# Altium PCB PCB_UDC_PlacaControle_V2.0.PcbDoc (part 6 of 7)
Units mm, origin at the board's own origin, x right, y up, seen from the top; angles counter-clockwise.
Board outline 161.76 x 100.25 mm, 6 copper layers (Top Layer, GND, Signal 1, Signal 2, VCC, Bottom Layer); 548 components, 515 nets, 2193 pads, 1225 vias.
Unrouted connection lines stored in the file: 7.
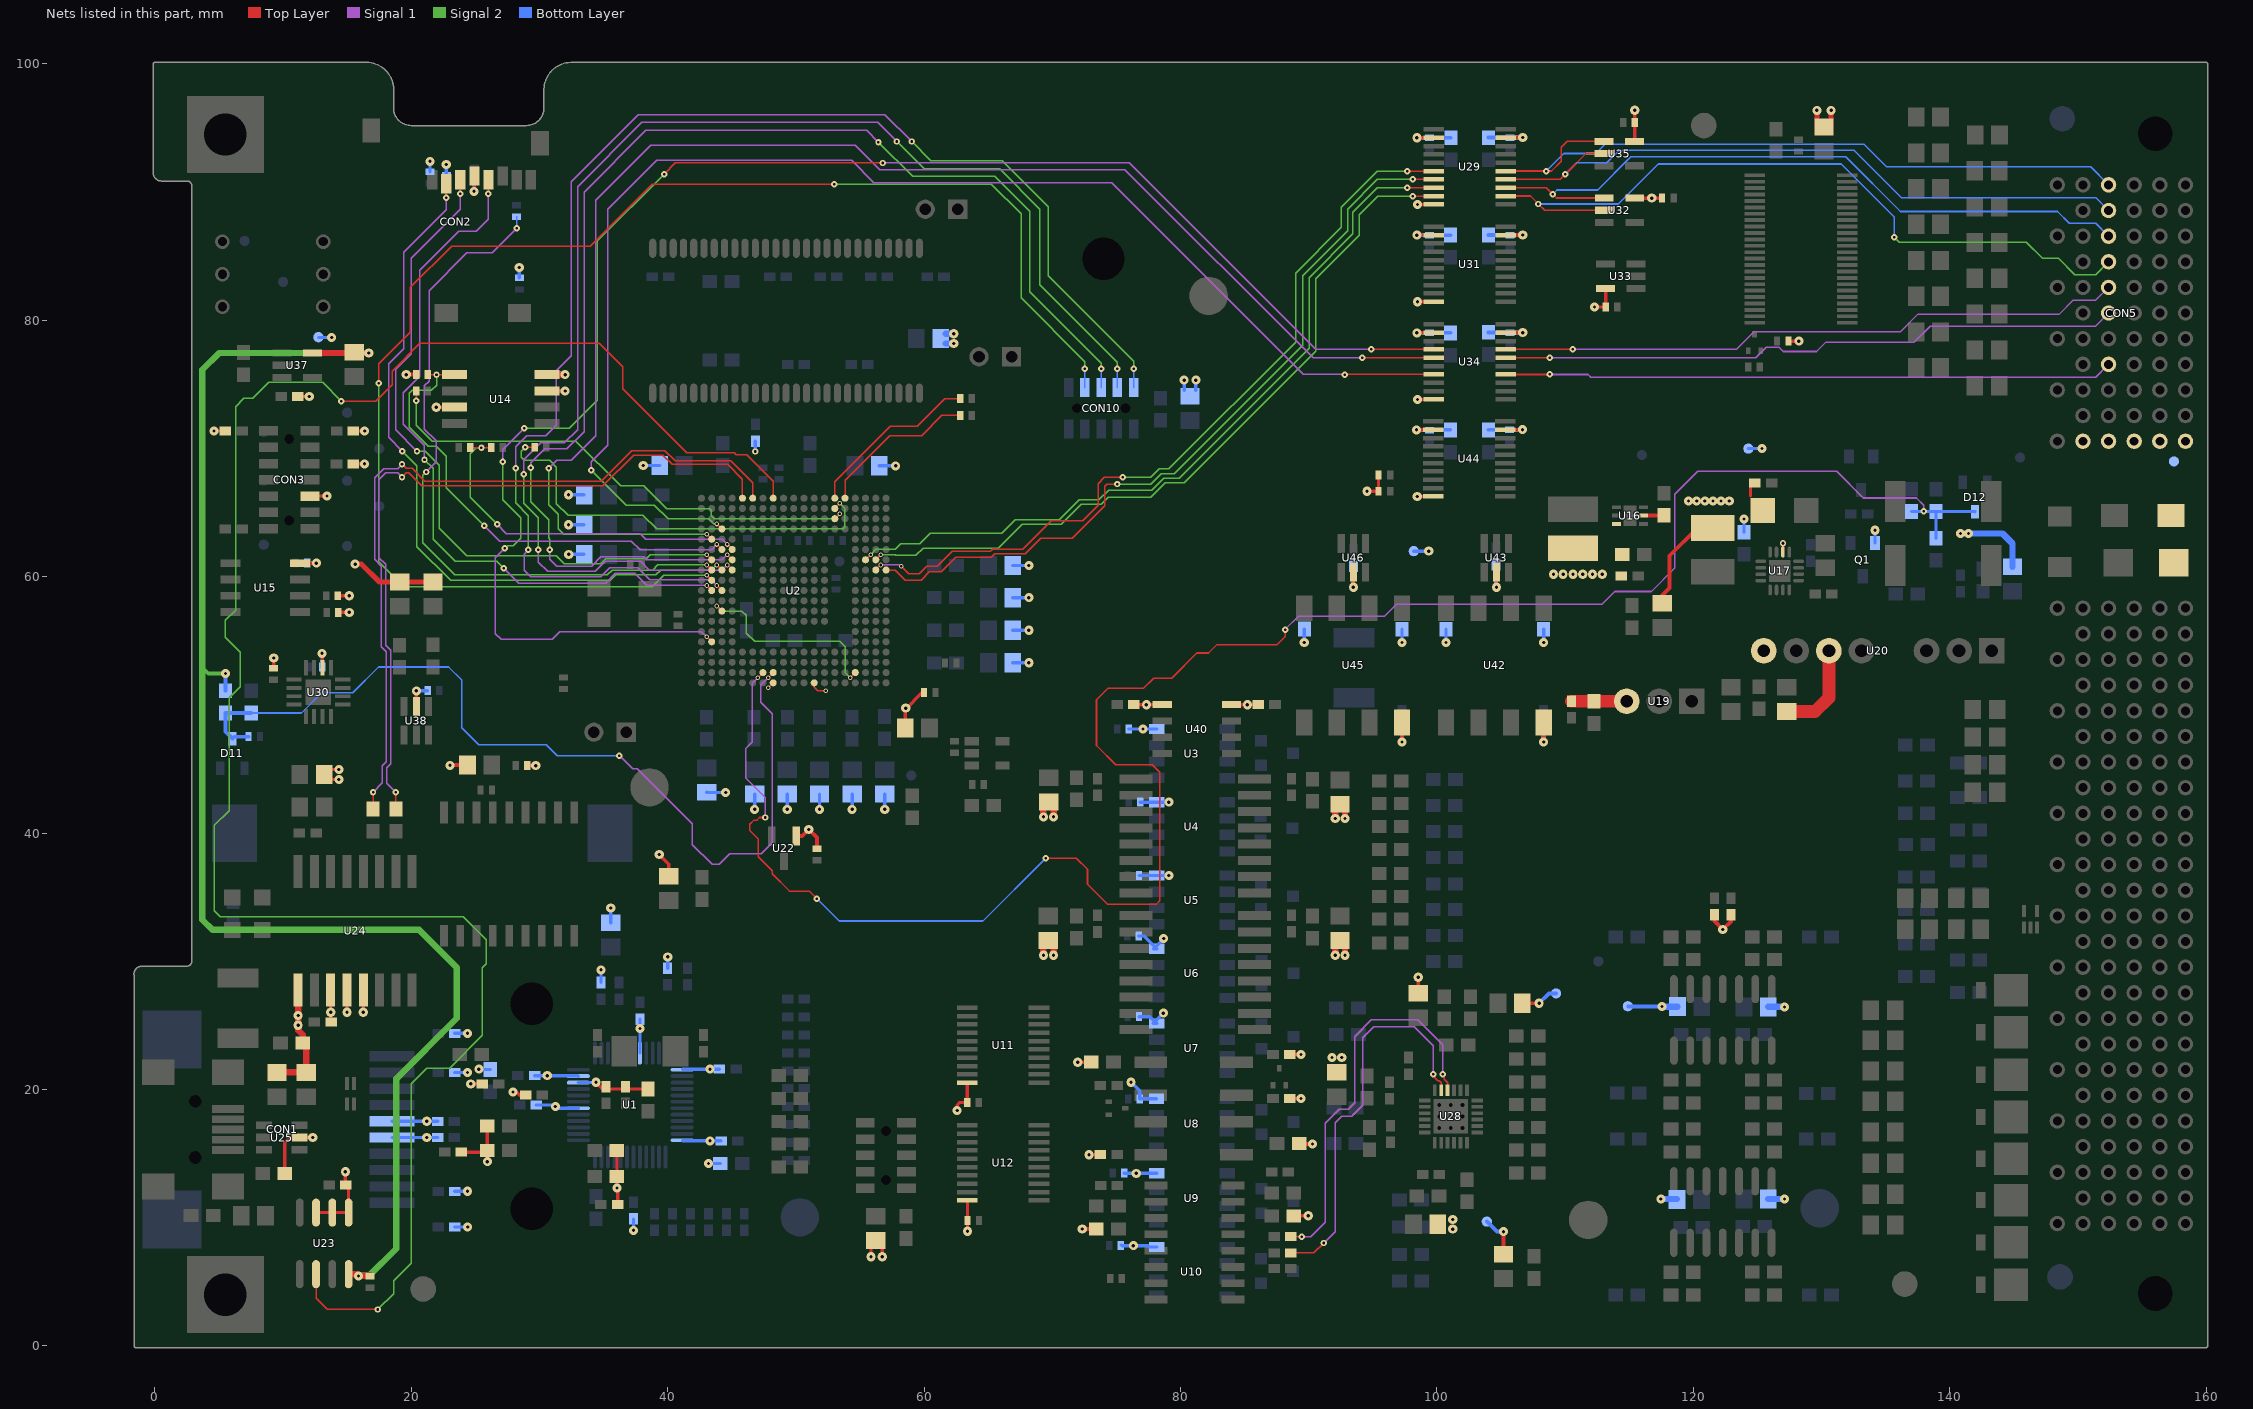
[diagram p10: the nets of this part, all layers, seen from the top]

## Via types
v1: diameter 0.711, hole 0.254, Top Layer to Bottom Layer, tented both sides, 600 vias
v2: diameter 0.5, hole 0.2, Top Layer to Bottom Layer, tented both sides, 404 vias
v3: diameter 0.36, hole 0.2, Top Layer to Bottom Layer, tented both sides, 212 vias
v4: diameter 0.5, hole 0.2, Top Layer to Bottom Layer, tented top, 5 vias
v5: diameter 0.5, hole 0.254, Top Layer to Bottom Layer, tented both sides, 2 vias
v6: diameter 0.5, hole 0.2, Top Layer to Bottom Layer, 2 vias

## Nets (pads, with @x,y where several pads share a name; then routed paths per layer and width w, separated by ;. In a path a pad name is that pad's centre, name@x,y a point inside that pad or via, vN(x,y) a via of type N, cw(c..) or ccw(c..) an arc to the next point about the centre after c; other vN are vias at no path point) (continued)
SPI_ADC_SCLK: R152.2 U28.17 | length 30.8
  Top Layer w0.102: R152.2@88.607,7.26 90.415,7.26 v2(91.186,8.031) ; v2@99.7,21.18 99.86,21.02 99.86,20.893 100.054,20.7 100.181,20.7 100.341,20.539 U28.17@100.341,19.956
  Signal 1 w0.102: v2(91.186,8.031) 92.075,8.92 92.075,17.399 92.583,17.907 93.35,17.907 94.234,18.791 94.234,24.035 95.091,24.892 98.248,24.892 99.718,23.422 v2(99.718,21.198)
SPI_ADC_SCLK_I: R151.1 U2.W5 | length 12.5
  Top Layer w0.102: U2.W5@53.835,66.128 53.835,67.525 57.328,71.018 59.817,71.018 61.392,72.593 R151.1@62.814,72.593
SPI_ADC_SPISTE: R150.2 U28.16 | length 30.9
  Top Layer w0.102: R150.2@88.607,8.52 v2(89.466,8.52) ; v2(100.457,21.198) 100.584,21.071 100.584,20.804 100.841,20.547 U28.16@100.841,19.956
  Signal 1 w0.102: v2(89.466,8.52) 90.181,8.52 91.313,9.652 91.313,17.387 92.371,18.445 93.087,18.445 93.599,18.957 93.599,24.13 94.898,25.429 98.523,25.429 100.457,23.495 v2(100.457,21.198)
SPI_ADC_SPISTE_I: R149.1 U2.W6 | length 13.7
  Top Layer w0.102: U2.W6@53.035,66.128 53.035,67.411 57.379,71.755 59.487,71.755 61.62,73.889 R149.1@62.814,73.889
SPI_CLK_C28: CON10.4 U2.M16 | length 106.3
  Top Layer w0.102: v3(44.642,60.921) U2.M16@45.035,60.528
  Signal 1 w0.102: v2(28.778,67.996) 28.778,69.139 30.099,70.46 31.953,70.46 32.969,71.476 32.969,90.424 37.998,95.453 56.388,95.453 v2(57.887,93.955) ; v2(29.921,62.103) 29.921,61.138 30.632,60.427 34.366,60.427 35.142,61.202 37.883,61.202 38.557,60.528 44.249,60.528 v3(44.642,60.921)
  Signal 2 w0.102: v2(28.778,67.996) 28.778,65.735 29.921,64.592 v2(29.921,62.103) ; v2(57.887,93.955) 60.02,91.821 65.888,91.821 69.037,88.671 69.037,82.779 75.082,76.733 v2(75.082,76.225)
  Bottom Layer w0.127: CON10.4@75.082,74.767 v2(75.082,76.225)
SPI_FLASH_CLK: R59.1 R81.1 U2.P16 | length 28.2
  Top Layer w0.102: R81.1@24.613,70.079 v2(25.476,70.079) R59.1@26.238,70.079 ; v3(44.642,62.521) U2.P16@45.035,62.128
  Signal 1 w0.102: v2(26.695,64.084) 27.407,63.373 37.846,63.373 38.303,62.916 44.247,62.916 v3(44.642,62.521)
  Signal 2 w0.102: v2(25.476,70.079) 25.07,70.079 24.587,69.596 24.587,66.192 v2(26.695,64.084)
SPI_FLASH_CS: R80.2 U2.P17 U14.1 | length 38.1
  Top Layer w0.102: R80.2@21.297,75.768 U14.1@23.375,75.768 ; v3(43.842,62.521) U2.P17@44.235,62.128
  Signal 1 w0.102: v2(25.705,63.983) 26.899,62.789 37.16,62.789 37.846,62.103 43.423,62.103 v3(43.842,62.521)
  Signal 2 w0.102: v2(21.971,75.768) 21.971,74.955 21.565,74.549 20.066,74.549 19.837,74.32 19.837,71.679 21.336,70.18 21.946,70.18 22.733,69.393 22.733,66.954 v2(25.705,63.983)
SPI_FLASH_MISO: R57.1 U2.U6 | length 39.7
  Top Layer w0.102: v2(20.396,73.736) R57.1@20.396,74.498 ; U2.U6@53.035,64.528 v3(53.428,64.921)
  Signal 2 w0.102: v2(20.396,73.736) 20.396,71.831 21.641,70.587 32.842,70.587 36.322,67.107 38.125,67.107 39.918,65.314 43.296,65.314 43.409,65.201 43.409,64.745 43.637,64.516 53.023,64.516 v3(53.428,64.921)
SPI_FLASH_MOSI: R58.1 U2.V6 | length 33.5
  Top Layer w0.102: v2(28.88,70.104) R58.1@29.642,70.104 ; U2.V6@53.035,65.328 v3(53.428,65.721)
  Signal 2 w0.102: v2(28.88,70.104) 28.575,69.799 28.575,69.342 28.829,69.088 30.786,69.088 31.318,68.556 31.318,65.71 32.233,64.795 38.075,64.795 39.141,63.729 53.696,63.729 53.823,63.856 53.823,65.327 v3(53.428,65.721)
SPI_MISO_C28: CON10.6 U2.N16 | length 102.6
  Top Layer w0.102: v3(44.642,61.721) U2.N16@45.035,61.328
  Signal 1 w0.102: v2(29.312,68.504) 29.312,68.885 30.404,69.977 32.131,69.977 33.477,71.323 33.477,89.992 38.299,94.814 55.54,94.814 v2(56.445,93.91) ; v2(30.81,62.103) 30.81,61.366 31.344,60.833 34.061,60.833 34.773,61.544 38.125,61.544 38.355,61.315 44.235,61.315 v3(44.642,61.721)
  Signal 2 w0.102: v2(29.312,68.504) 29.312,65.837 30.709,64.44 30.709,63.043 30.81,62.941 v2(30.81,62.103) ; v2(56.445,93.91) 59.117,91.237 65.532,91.237 68.25,88.519 68.25,82.234 73.812,76.672 v2(73.812,76.225)
  Bottom Layer w0.127: CON10.6@73.812,74.767 v2(73.812,76.225)
SPI_MOSI_C28: CON10.2 U2.K17 | length 109.4
  Top Layer w0.102: v3(43.842,59.321) U2.K17@44.235,58.928
  Signal 1 w0.102: v2(28.143,68.478) 28.143,70.155 29.007,71.018 30.505,71.018 31.318,71.831 31.318,76.073 32.48,77.235 32.48,90.824 37.694,96.037 56.947,96.037 v2(59.03,93.955) ; v2(29.134,62.103) 28.804,61.773 28.804,60.503 29.312,59.995 34.773,59.995 35.484,60.706 37.668,60.706 38.608,59.766 43.397,59.766 v3(43.842,59.321)
  Signal 2 w0.102: v2(28.143,68.478) 28.143,65.759 29.134,64.769 v2(29.134,62.103) ; v2(59.03,93.955) 60.528,92.456 66.091,92.456 69.698,88.849 69.698,83.464 76.352,76.81 v2(76.352,76.225)
  Bottom Layer w0.127: CON10.2@76.352,74.767 v2(76.352,76.225)
SPI_SD_CLK: CON2.5 U2.K18 | length 56.6
  Top Layer w0.102: v2(26.01,89.865) 26.01,90.944 CON2.5@26.03,90.964 ; v3(43.042,59.321) U2.K18@43.435,58.928
  Signal 1 w0.102: v2(21.031,69.139) 21.031,70.256 19.38,71.907 19.38,74.371 20.65,75.641 20.65,83.896 23.698,86.944 25.07,86.944 26.01,87.884 v2(26.01,89.865) ; v2(27.203,60.681) 28.372,59.512 35.154,59.512 35.916,60.274 37.414,60.274 38.367,59.321 v3(43.042,59.321)
  Signal 2 w0.102: v2(21.031,69.139) 21.717,68.453 21.717,62.916 23.419,61.214 26.67,61.214 v2(27.203,60.681)
SPI_SD_CS: CON2.2 R61.2 U2.M17 | length 57.5
  Top Layer w0.102: CON2.2@22.73,90.664 22.733,90.661 v2(22.733,89.56) ; v3(43.842,60.921) U2.M17@44.235,60.528
  Signal 1 w0.102: v2(19.304,69.799) 18.237,70.866 18.237,76.632 19.406,77.8 19.406,85.319 22.733,88.646 v2(22.733,89.56)
  Signal 2 w0.102: v2(19.304,69.799) 20.447,68.656 20.447,62.345 23.077,59.715 35.535,59.715 35.966,60.147 39.091,60.147 39.472,60.528 43.449,60.528 v3(43.842,60.921)
  Bottom Layer w0.102: v2(22.733,89.56) R61.2@22.733,90.439
SPI_SD_DI: CON2.3 U2.N18 | length 53.9
  Top Layer w0.102: v2(23.825,89.865) 23.825,90.959 CON2.3@23.83,90.964 ; v3(43.042,61.721) U2.N18@43.435,61.328
  Signal 1 w0.102: v2(20.447,69.799) 18.796,71.45 18.796,76.2 19.99,77.394 19.99,84.836 23.825,88.671 v2(23.825,89.865)
  Signal 2 w0.102: v2(20.447,69.799) 21.107,69.799 22.2,68.707 22.2,63.779 24.333,61.646 31.318,61.646 31.953,61.011 34.773,61.011 35.154,61.392 38.329,61.392 38.658,61.721 v3(43.042,61.721)
SPI_SD_DO: R65.1 U2.M18 | length 54.5
  Top Layer w0.102: v3(43.042,60.921) U2.M18@43.435,60.528
  Signal 1 w0.102: v2(21.158,68.174) 21.946,68.961 21.946,70.612 21.031,71.526 21.031,74.905 21.387,75.26 21.387,82.321 24.333,85.268 26.314,85.268 v2(28.219,87.173)
  Signal 2 w0.102: v2(21.158,68.174) 20.904,67.92 20.904,62.636 23.393,60.147 35.307,60.147 35.688,60.528 38.837,60.528 39.23,60.921 v3(43.042,60.921)
  Bottom Layer w0.102: v2(28.219,87.173) R65.1@28.219,88.113
SPI_STE_C28: CON10.8 U2.L18 | length 117.3
  Top Layer w0.102: v2(17.475,75.082) 17.475,76.632 19.914,79.07 19.914,82.575 23.139,85.801 33.96,85.801 38.786,90.627 v2(52.984,90.627) ; v3(43.042,60.121) U2.L18@43.435,59.728
  Signal 2 w0.102: v2(17.475,75.082) 17.475,61.163 19.406,59.233 38.803,59.233 39.691,60.121 v3(43.042,60.121) ; v2(52.984,90.627) 65.253,90.627 67.564,88.316 67.564,81.763 72.542,76.784 v2(72.542,76.225)
  Bottom Layer w0.127: CON10.8@72.542,74.767 v2(72.542,76.225)
STATUS_ADC0: U2.M2 U29.6 | length 62
  Top Layer w0.102: U2.M2@56.235,60.528 v3(56.628,60.921) ; v3(58.217,60.833) 58.801,60.249 59.639,60.249 60.198,60.808 61.036,60.808 62.205,61.976 65.176,61.976 65.354,62.154 67.691,62.154 69.907,64.37 72.371,64.37 73.584,65.583 73.584,67.272 74.071,67.759 v2(75.514,67.759) ; v2(97.708,91.648) U29.6@99.759,91.648
  Signal 1 w0.102: v3(56.628,60.921) 58.129,60.921 v3(58.217,60.833)
  Signal 2 w0.102: v2(75.514,67.759) 77.665,67.759 78.334,68.428 79.096,68.428 88.976,78.308 88.976,83.692 92.538,87.254 92.538,88.83 95.357,91.648 v2(97.708,91.648)
STATUS_ADC0_5V: CON5.D1 U29.15 U35.1 | length 55.3
  Top Layer w0.127: U29.15@105.365,91.648 v2(108.534,91.648) 108.946,91.648 109.703,92.405 109.703,93.497 110.17,93.965 U35.1@113.03,93.965
  Bottom Layer w0.127: v2(108.534,91.648) 109.9,93.015 112.395,93.015 113.132,93.751 133.299,93.751 135.077,91.973 150.999,91.973 CON5.D1@152.4,90.572
STATUS_ADC1: U2.M1 U29.7 | length 61.1
  Top Layer w0.102: U2.M1@57.035,60.528 57.747,60.528 58.534,59.741 59.766,59.741 60.401,60.376 61.327,60.376 62.47,61.519 65.253,61.519 65.532,61.798 67.894,61.798 69.088,62.992 71.552,62.992 74.092,65.532 74.092,67.056 74.27,67.234 v2(75.07,67.234) ; v2(98.133,90.998) U29.7@99.765,90.998
  Signal 2 w0.102: v2(75.07,67.234) 77.673,67.234 78.486,68.047 79.527,68.047 89.535,78.054 89.535,83.49 93.04,86.995 93.04,88.671 95.367,90.998 v2(98.133,90.998)
STATUS_ADC1_5V: CON5.D2 U29.14 U35.2 | length 53.6
  Top Layer w0.127: U29.14@105.365,90.998 109.617,90.998 v2(110.007,91.389) 111.633,93.015 U35.2@113.03,93.015
  Bottom Layer w0.127: v2(110.007,91.389) 110.917,92.298 113.259,92.298 114.229,93.269 132.537,93.269 136.246,89.56 151.412,89.56 CON5.D2@152.4,88.572
STATUS_ADC2: U2.N3 U29.8 | length 60.6
  Top Layer w0.102: U2.N3@55.435,61.328 v3(55.828,61.721) ; v2(97.708,90.348) U29.8@99.759,90.348
  Signal 2 w0.102: v3(55.828,61.721) 56.235,62.128 57.735,62.128 58.167,62.56 59.665,62.56 60.503,63.398 66.065,63.398 67.107,64.44 70.561,64.44 72.111,65.989 73.635,65.989 74.397,66.751 77.749,66.751 78.689,67.691 79.908,67.691 90.043,77.826 90.043,83.337 93.447,86.741 93.447,88.448 95.347,90.348 v2(97.708,90.348)
STATUS_ADC2_5V: CON5.D3 U29.13 U32.1 | length 55.2
  Top Layer w0.127: U29.13@105.365,90.348 108.534,90.348 v2(109.042,89.84) 109.337,89.545 U32.1@113.055,89.545
  Bottom Layer w0.127: v2(109.042,89.84) 109.372,90.17 112.547,90.17 115.138,92.761 131.902,92.761 136.169,88.494 148.412,88.494 149.327,87.579 151.393,87.579 CON5.D3@152.4,86.572
STATUS_ADC3: U2.N2 U29.9 | length 59.6
  Top Layer w0.102: U2.N2@56.235,61.328 v3(56.628,61.721) ; v2(98.133,89.698) U29.9@99.765,89.698
  Signal 2 w0.102: v3(56.628,61.721) 57.735,61.721 57.785,61.671 59.36,61.671 59.919,62.23 65.786,62.23 67.666,64.11 70.714,64.11 72.263,65.659 73.838,65.659 74.371,66.192 77.673,66.192 78.816,67.335 80.284,67.335 90.551,77.602 90.551,83.261 93.929,86.639 93.929,88.224 95.404,89.698 v2(98.133,89.698)
STATUS_ADC3_5V: CON5.D4 U29.12 U32.2 | length 58.8
  Top Layer w0.127: U29.12@105.365,89.698 107.304,89.698 v2(107.925,89.078) 108.407,88.595 U32.2@113.055,88.595
  Signal 2 w0.127: v2(135.687,86.487) 136.068,86.106 145.974,86.106 147.244,84.836 148.488,84.836 149.758,83.566 151.394,83.566 CON5.D4@152.4,84.572
  Bottom Layer w0.127: v2(107.925,89.078) 114.148,89.078 117.272,92.202 131.547,92.202 135.687,88.062 v2(135.687,86.487)
UART_M3_RD: U2.E18 U34.4 | length 128.9
  Top Layer w0.102: v2(39.726,91.415) 40.589,92.278 v2(56.794,92.278) ; v3(43.042,55.321) U2.E18@43.435,54.928 ; v2(94.883,77.734) U34.4@99.765,77.734
  Signal 1 w0.102: v2(27.127,68.961) 27.127,69.926 v2@28.804,71.603 ; v2(27.305,62.23) 26.568,61.493 26.568,55.575 27.026,55.118 30.988,55.118 31.598,55.728 42.635,55.728 v3(43.042,55.321) ; v2(56.794,92.278) 75.997,92.278 90.541,77.734 v2(94.883,77.734)
  Signal 2 w0.102: v2(27.127,68.961) 27.127,66.015 28.524,64.618 28.524,62.992 27.965,62.433 27.508,62.433 v2(27.305,62.23) ; v2(28.804,71.577) 32.334,71.577 34.519,73.762 34.519,86.208 v2(39.726,91.415)
UART_M3_RD_5V: CON5.D5 U34.17 | length 49
  Top Layer w0.127: U34.17@105.371,77.734 v2(110.597,77.734)
  Signal 1 w0.127: v2(110.597,77.734) 123.353,77.734 124.739,79.121 136.169,79.121 137.541,80.493 148.565,80.493 149.631,81.559 151.387,81.559 CON5.D5@152.4,82.572
UART_M3_RX: U2.R18 U34.5 | length 114.5
  Top Layer w0.102: v3(43.042,63.321) U2.R18@43.435,62.928 ; v2(94.178,77.084) U34.5@99.765,77.084
  Signal 1 w0.102: v2(30.734,68.478) 31.344,69.088 32.487,69.088 34.392,70.993 34.392,89.383 38.684,93.675 54.625,93.675 56.54,91.76 75.667,91.76 90.344,77.084 v2(94.178,77.084)
  Signal 2 w0.102: v2(30.734,68.478) 30.734,65.634 31.471,64.897 31.471,63.729 31.878,63.321 v3(43.042,63.321)
UART_M3_RX_5V: CON5.D6 U34.16 | length 48.8
  Top Layer w0.127: U34.16@105.365,77.084 v2(108.804,77.084)
  Signal 1 w0.127: v2(108.804,77.084) 124.887,77.084 125.705,77.902 126.695,77.902 127.025,77.572 129.616,77.572 130.353,78.308 137.236,78.308 138.481,79.553 151.381,79.553 CON5.D6@152.4,80.572
UART_M3_TX: U2.T17 U34.7 | length 105.9
  Top Layer w0.102: v3(43.842,64.121) U2.T17@44.235,63.728 ; v2@92.812,75.784 U34.7@99.765,75.784
  Signal 1 w0.102: v2(34.036,68.301) 34.036,68.961 35.331,70.256 35.331,88.671 39.141,92.481 54.356,92.481 56.083,90.754 74.625,90.754 89.596,75.784 v2@92.812,75.784
  Signal 2 w0.102: v2(34.036,68.301) 36.754,65.583 38.964,65.583 40.03,64.516 43.205,64.516 43.6,64.121 v3(43.842,64.121)
  other v2: 92.812,75.768
UART_M3_TX_5V: CON5.D8 U34.14 | length 47.5
  Top Layer w0.127: U34.14@105.365,75.784 v2(108.804,75.784)
  Signal 1 w0.127: v2(108.804,75.784) 111.795,75.784 112.014,75.565 151.393,75.565 CON5.D8@152.4,76.572
USB0_GPIO38: U2.W12 U23.6 | length 156.2
  Top Layer w0.102: U23.6@12.573,5.601 12.573,3.708 13.437,2.845 v2(17.399,2.845) ; v2(14.554,73.685) 17.221,73.685 18.517,74.981 18.517,76.042 20.681,78.207 34.671,78.207 36.5,76.378 36.5,74.651 41.478,69.672 45.212,69.672 45.364,69.52 46.177,69.52 48.235,67.462 U2.W12@48.235,66.128
  Signal 2 w0.102: v2(14.554,73.685) 13.081,75.159 8.89,75.159 7.645,73.914 6.934,73.914 6.299,73.279 6.299,57.404 5.486,56.591 5.486,55.296 6.655,54.127 6.655,51.436 5.791,50.573 5.791,41.758 4.648,40.615 4.648,33.934 5.105,33.477 24.054,33.477 25.857,31.674 25.857,29.82 25.552,29.515 25.552,24.232 22.987,21.666 21.209,21.666 19.99,20.447 19.99,6.456 18.618,5.084 18.618,4.064 v2(17.399,2.845)
USB0_GPIO42: R86.1 U2.W14 | length 60.4
  Top Layer w0.102: R86.1@17.018,41.884 v2(17.018,43.18) ; v2(19.279,68.783) 19.609,68.453 20.066,68.453 21.057,67.462 34.803,67.462 37.191,69.85 39.776,69.85 40.589,69.037 44.933,69.037 46.635,67.335 U2.W14@46.635,66.128
  Signal 1 w0.102: v2(17.018,43.18) 17.755,43.917 17.755,45.247 18.059,45.552 18.059,54.143 17.678,54.524 17.678,60.823 17.145,61.357 17.145,67.716 17.856,68.428 18.948,68.428 19.279,68.758 v2(19.279,68.783)
USB0_GPIO45: R87.1 U2.W15 | length 59
  Top Layer w0.102: R87.1@18.796,41.884 v2(18.796,43.18) ; v2(19.279,67.767) 19.609,68.097 19.789,68.097 20.805,67.081 34.925,67.081 37.338,69.494 39.629,69.494 40.34,68.783 44.679,68.783 45.835,67.627 U2.W15@45.835,66.128
  Signal 1 w0.102: v2(18.796,43.18) 18.085,43.891 18.085,45.11 18.39,45.415 18.39,54.28 18.009,54.661 18.009,60.96 17.475,61.493 17.475,67.58 17.993,68.097 18.948,68.097 v2(19.279,67.767)
USB_3V3: C108.2 C115.2 U23.1 U23.2 U23.3 U24.3 U24.4 U24.5 | length 11.7
  Top Layer w0.254: U23.3@12.573,10.401 U23.2@13.843,10.401 U23.1@15.113,10.401 15.113,12.349 C108.2@14.889,12.573 14.859,12.603 v1(14.859,13.589) ; C115.2@13.716,25.303 v1(13.716,26.035) U24.3@13.716,27.76 ; v1(14.986,26.035) U24.4@14.986,27.76 ; v1(16.256,26.035) U24.5@16.256,27.76
USB_5V0: C112.2 C113.2 C114.2 L24.1 U24.1 U25.5 | length 13.7
  Top Layer w0.254: C114.2@10.134,13.462 10.134,15.849 10.541,16.256 U25.5@11.281,16.256 v1(12.319,16.256) ; C112.2@11.531,23.622 C112.2@11.811,23.342
  Top Layer w0.5: L24.1@9.53,21.336 C113.2@11.811,21.336 C112.2@11.811,23.342 ; U24.1@11.176,27.76 11.176,24.638 11.531,24.283 C112.2@11.531,23.622
  other v1: 11.176,25.019 11.176,25.781
V_SUPPLY: C66.2 D12.3 R71.2 R72.1 U2.B13 | length 158.2
  Top Layer w0.127: v3(47.042,52.135) U2.B13@47.435,52.528 ; v2(47.6,41.224) 47.169,41.224 46.965,41.021 46.736,41.021 46.406,40.691 46.406,40.208 47.066,39.547 47.066,38.151 48.158,37.059 48.158,36.83 49.505,35.484 51.054,35.484 v2(51.638,34.9) ; v2(69.494,38.049) 71.882,38.049 72.746,37.186 72.746,36.005 74.283,34.468 78.13,34.468 78.384,34.722 78.384,44.755 77.8,45.339 74.955,45.339 73.457,46.838 73.457,50.419 74.346,51.308 77.126,51.308 77.913,52.095 79.324,52.095 81.28,54.051 82.195,54.051 82.856,54.712 87.554,54.712 88.163,55.321 v2(88.163,55.88)
  Signal 1 w0.102: v2@47.6,41.199 v2(47.6,41.224)
  Signal 1 w0.127: v3(47.042,52.135) 46.609,51.702 46.609,47.117 46.101,46.609 46.101,44.298 47.6,42.799 v2(47.6,41.224) ; v2(88.163,55.88) 89.205,56.921 95.91,56.921 96.85,57.861 112.878,57.861 113.868,58.852 116.738,58.852 118.567,60.681 118.567,66.446 120.345,68.224 131.191,68.224 133.274,66.142 137.414,66.142 137.973,65.583 v2(137.973,65.1)
  Bottom Layer w0.127: v2(51.638,34.9) 53.391,33.147 64.592,33.147 v2(69.494,38.049)
  Bottom Layer w0.254: C66.2@137.033,65.096 R72.1@138.951,65.096 ; R71.2@138.938,63.004 138.938,65.084 R72.1@138.951,65.096 ; D12.3@141.986,65.063 141.953,65.096 R72.1@138.951,65.096
V_SUPPLY_5V: C64.2 D11.3 R69.2 R70.1 U2.B12 | length 71.9
  Top Layer w0.102: v3(47.842,52.135) U2.B12@48.235,52.528
  Signal 1 w0.102: v2@36.246,46.05 37.287,45.009 37.643,45.009 41.935,40.716 41.935,39.116 43.459,37.592 44.044,37.592 44.856,38.405 47.32,38.405 48.158,39.243 48.158,49.314 47.269,50.203 47.269,51.563 v3(47.842,52.135)
  Bottom Layer w0.127: R70.1@7.518,49.379 11.431,49.379 13.005,50.952 15.443,50.952 17.45,52.959 22.911,52.959 23.927,51.943 23.927,48.235 25.273,46.888 30.531,46.888 31.382,46.038 v2(36.233,46.038)
  Bottom Layer w0.3: C64.2@7.304,47.523 6.191,47.523 D11.3@6.045,47.378 5.512,47.911 R69.2@5.512,49.378 R70.1@7.518,49.379
VDD3V3: C1.2 C2.2 C3.2 C4.2 C7.2 C8.2 C9.2 C10.2 C11.2 C12.2 C13.2 C14.2 C15.2 C16.2 C17.2 C18.2 C23.2 C24.2 C29.2 C30.2 C35.2 C36.2 C41.2 C42.2 C52.2 C53.2 C54.2 C56.2 C57.2 C105.2 C147.2 C148.2 C151.2 C152.2 C155.2 C157.2 C158.2 C167.2 C172.2 C175.2 C177.2 C187.2 C190.2 CON1.3 CON1.6 CON2.4 CON3.5 L1.1 L2.2 L5.1 L8.1 L9.1 L10.1 L11.1 L12.1 L13.1 L14.1 L15.1 L16.1 L17.1 L18.1 L19.1 L20.1 L21.1 L22.1 L23.1 L48.1 L50.1 L52.2 L53.2 L54.1 LD1.2 LD2.2 LD3.2 LD4.2 R1.1 R2.1 R3.1 R4.1 R23.2 R24.2 R25.2 R26.1 R27.2 R28.2 R29.2 R36.1 R37.1 R60.1 R61.1 R62.1 R63.1 R64.1 R75.1 R77.2 R78.1 R79.1 R80.1 R83.1 R84.2 R85.2 R121.1 R141.1 R147.1 R159.1 R160.1 R161.2 R162.2 R165.2 R166.2 R177.1 TP2.1 TP19.1 U1.18 U1.22 U1.23 U1.32 U1.37 U1.48 U2.A8 U2.A12 U3.8 U4.8 U5.8 U6.8 U7.8 U8.8 U9.8 U10.8 U11.20 U12.20 U14.3 U14.7 U14.8 U15.8 U16.3 U22.1 U29.2 U29.10 U30.14 U31.2 U31.10 U34.2 U34.10 U38.5 U40.1 U43.5 U44.2 U44.10 U46.5 | length 186.8
  Top Layer w0.102: v3(47.842,51.335) U2.A12@48.235,51.728 ; U2.A8@51.435,51.728 51.435,51.384 51.714,51.105 v3(52.324,51.105)
  Top Layer w0.254: v1(4.618,71.374) R85.2@5.507,71.374 ; R121.1@9.271,52.858 v1(9.271,53.67) ; R141.1@11.151,74.066 v1(12.04,74.066) ; U15.8@11.311,61.062 v1(12.598,61.062) ; CON3.5@12.105,66.294 v1(13.437,66.294) ; v1(13.041,54.026) 13.076,53.991 U30.14@13.076,52.903 ; L23.1@13.584,44.196 v1(14.351,44.196) ; L23.1@13.584,44.958 v1(14.351,44.958) ; R63.1@14.275,57.226 v1(15.164,57.226) ; R64.1@14.3,58.522 v1(15.164,58.522) ; R83.1@15.469,68.809 v1(16.358,68.809) ; R84.2@15.473,71.374 v1(16.362,71.374) ; U38.5@20.396,49.886 v1(20.396,51.105) ; C3.2@23.906,15.113 R2.1@25.807,15.113 ; v1(24.638,20.447) R26.1@25.527,20.447 ; v1(24.892,90.068) 24.93,90.106 CON2.4@24.93,91.264 ; v1(25.934,14.377) R2.1@25.934,15.113 ; R2.1@25.934,15.24 R1.1@25.934,17.145 ; v1(27.94,19.812) 28.194,19.812 28.448,19.558 R29.2@28.926,19.558 ; v1(34.417,20.574) 34.951,20.04 C11.2@38.481,20.04 ; v1@36.042,12.218 v1(36.042,12.319) R4.1@36.042,13.208 R3.1@36.042,15.24 ; C4.2@36.098,11.049 v1@36.098,12.162 ; v1(39.345,38.329) 40.081,37.592 LD4.2@40.081,36.652 ; v1(55.855,6.96) L53.2@55.855,7.849 ; v1(56.744,6.96) L53.2@56.744,7.722 ; L5.1@58.527,48.209 58.527,49.637 R77.2@59.868,50.978 ; v1(62.586,18.364) 62.586,18.796 62.789,18.999 C41.2@63.362,18.999 ; C41.2@63.373,18.974 U11.20@63.373,20.534 ; v1(63.387,8.949) U12.20@63.387,11.35 ; v1(72.867,14.917) R75.1@73.743,14.917 ; C172.2@76.357,50.038 C172.2@76.373,50.022 ; v1(93.488,59.182) U46.5@93.488,60.35 ; v1(94.544,66.672) R160.1@95.433,66.672 ; R160.1@95.453,66.65 R159.1@95.453,67.92 ; v1@98.417,71.465 U44.2@99.74,71.465 ; v1(98.439,94.245) 98.442,94.248 U29.2@99.765,94.248 ; v1@98.442,79.034 U34.2@99.765,79.034 ; v1@98.442,86.654 U31.2@99.765,86.654 ; v1(98.476,66.265) U44.10@99.74,66.265 ; v1(98.501,73.834) U34.10@99.765,73.834 ; v1(98.501,81.454) U31.10@99.765,81.454 ; v1(98.501,89.048) U29.10@99.765,89.048 ; v1(104.648,59.182) U43.5@104.648,60.35